# Altium PCB PCB_Left.PcbDoc (part 1 of 2) (continued)
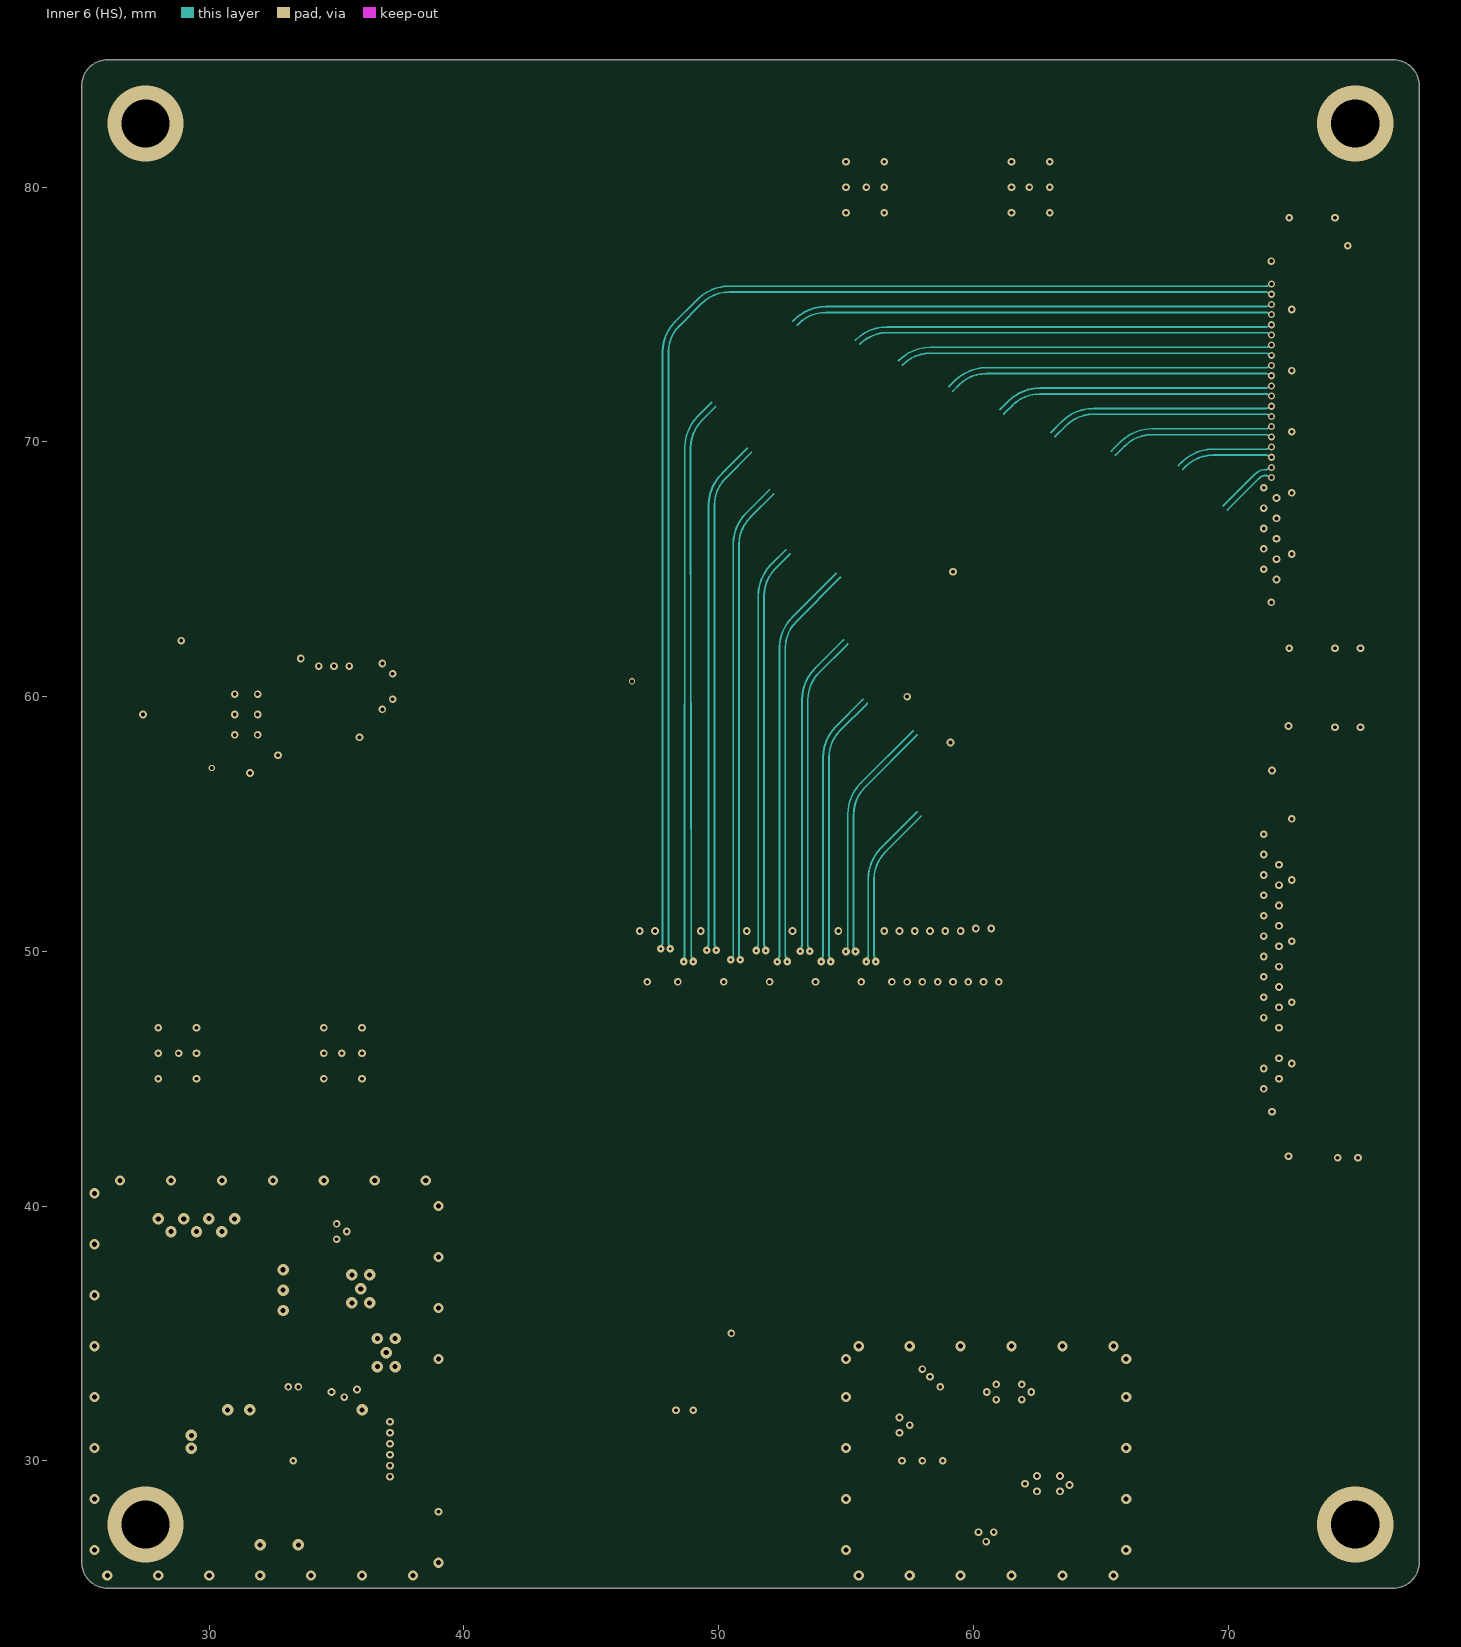
[diagram p7: Inner 6 (HS)]
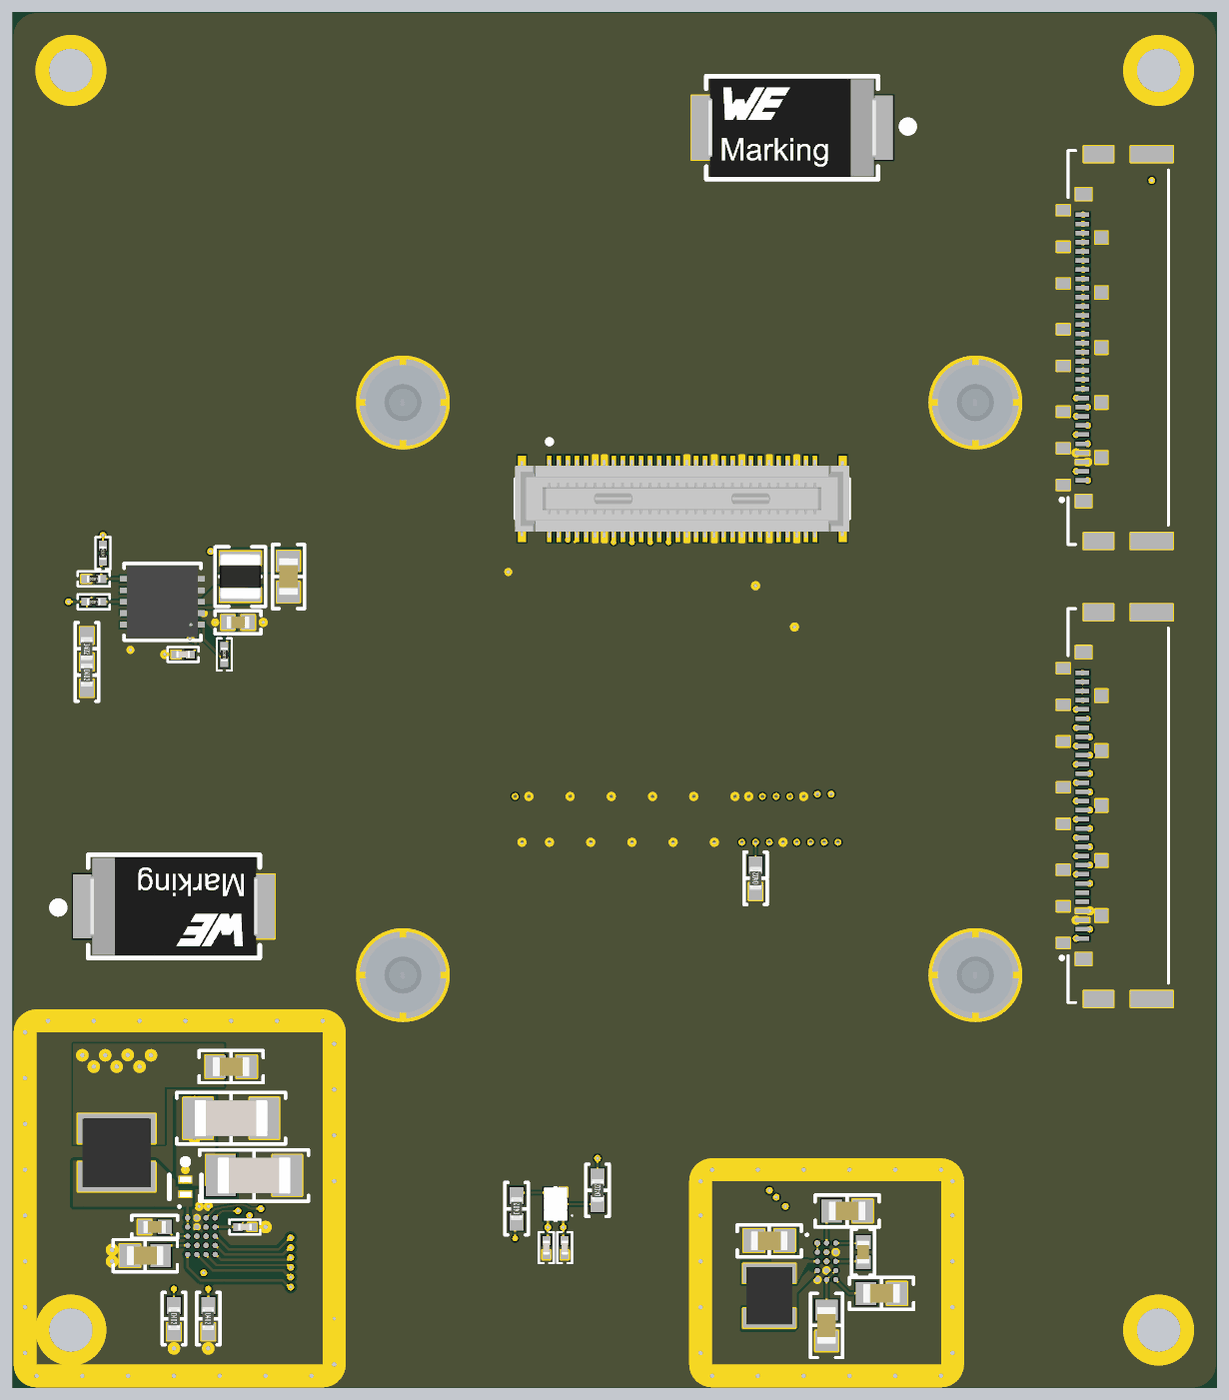
[diagram p9: 3D render of the assembled board from above, using the file's embedded part models]

## Layer stack, top to bottom
Top Solder: solder mask 0.015, WE-SM-0001, Dk 3.5
Top Side: signal copper 0.03
Dielectric 1: prepreg 0.086, PP-008, Dk 4.1
Inner 1 (HS): signal copper 0.018
Core 1: core 0.127, PP-016, Dk 4.2
Inner 2 (GND): plane copper 0.0175, net GND
Dielectric 2: prepreg 0.12, PP-016, Dk 4.6
Inner Layer 3: signal copper 0.0175
Core 2: core 0.08, PP-016, Dk 4.6
Inner Layer 4: signal copper 0.0175
Dielectric 3: prepreg 0.12, Core-015, Dk 4.6
Inner 5 (GND): plane copper 0.0175, net GND
Core 3: core 0.127, PP-016, Dk 4.2
Inner 6 (HS): signal copper 0.0175
Dielectric 4: prepreg 0.086, PP-008, Dk 4.1
Bottom Side: signal copper 0.03
Bottom Solder: solder mask 0.015, WE-SM-0001, Dk 3.5

## Board outline
25,26 25,84 cw(c26,84) 26,85 76.5,85 cw(c76.5,84) 77.5,84 77.5,26 cw(c76.5,26) 76.5,25 26,25 cw(c26,26)

## Design rules (kind name [scope] priority, off if disabled: settings)
Clearance Clearance_1 [InNetClass('HV')] p1: gap=0.13 ignorepadtopadclearanceinfootprint=FALSE
Clearance Clearance_3 [InNet('INCK')] p2: gap=0.075 ignorepadtopadclearanceinfootprint=FALSE except(0.3: Arc-Arc Arc-Track Track-Track)
Clearance Clearance_2 [InNetClass('MIPI')] p3: gap=0.075 ignorepadtopadclearanceinfootprint=FALSE except(0.3: Arc-Arc Arc-Track Track-Track)
Clearance [All] p4: gap=0.075 ignorepadtopadclearanceinfootprint=FALSE
DiffPairsRouting [All] p1: maxlimit=0.16 minlimit=0.16 mostfreqgap=0.16 toplayer_minwidth=0.111 toplayer_maxwidth=0.111 toplayer_prefwidth=0.111 midlayer2_minwidth=0.057 midlayer2_maxwidth=0.057 midlayer2_prefwidth=0.057 midlayer5_minwidth=0.057 midlayer5_maxwidth=0.057 midlayer5_prefwidth=0.057 midlayer6_minwidth=0.07 midlayer6_maxwidth=0.07 midlayer6_prefwidth=0.07 midlayer7_minwidth=0.069 midlayer7_maxwidth=0.069 midlayer7_prefwidth=0.069 bottomlayer_minwidth=0.111 bottomlayer_maxwidth=0.111 bottomlayer_prefwidth=0.111 impedanceprofiledriven=TRUE impedanceprofileid={1041645D-6CA2-4B96-BFB0-DD31A8001BDD} impedanceprofilevalue=100.000000 maxuncoupledlength=12.7
HoleToHoleClearance [All] p1: gap=0.2 allowstackedmicrovias=TRUE
MatchedLengths [InNetClass('MIPI')] p1: tolerance=25.4 checknetsindiffpair=FALSE checkdiffpairvsdiffpair=TRUE checkxsignals=TRUE checkothers=TRUE usedelayunits=TRUE delaytolerance=10.000000 targetsourcename="Not defined"
MatchedLengths MatchedLengths_1 [InxSignalClass('xSignals_J3_J2')] p2: tolerance=25 checknetsindiffpair=FALSE checkdiffpairvsdiffpair=TRUE checkxsignals=TRUE checkothers=TRUE usedelayunits=TRUE delaytolerance=10.000000 targetsourcename=D0_2_N_PP1
MatchedLengths MatchedLengths_2 [InxSignalClass('All xSignals')] p3: tolerance=25.4 checknetsindiffpair=TRUE checkdiffpairvsdiffpair=FALSE checkxsignals=FALSE checkothers=FALSE usedelayunits=TRUE delaytolerance=2.000000 targetsourcename="Not defined"
MinimumSolderMaskSliver [All] p1: minsoldermaskwidth=0.075
ParallelSegment [All] p1: limit=5 gap=0.2
PlaneClearance [All] p1: clearance=0.2
PlaneConnect [All] p1: planeconnectstyle=Direct reliefexpansion=0.508 reliefentries=4 reliefconductorwidth=0.254 reliefairgap=0.254
PolygonConnect [All] p1: connectstyle=Direct reliefconductorwidth=0.254 reliefentries=4 polygonreliefangle="90 Angle" airgapwidth=0.254
RoutingVias RoutingVias_1 [IsMicroVia] p1: holewidth=0.1 width=0.3 viastyle="Through Hole" minholewidth=0.1 minwidth=0.2 maxholewidth=0.1 maxwidth=0.35
RoutingVias [All] p2: holewidth=0.2 width=0.5 viastyle="Through Hole" minholewidth=0.1 minwidth=0.2 maxholewidth=5 maxwidth=6
SolderMaskExpansion [All] p1: expansion=0.05 istentingtop=FALSE
Width Width_1 [InNet('INCK')] p1: maxlimit=0.142 minlimit=0.065 preferedwidth=0.08 toplayer_minwidth=0.142 toplayer_prefwidth=0.142 midlayer2_maxwidth=0.065 midlayer2_prefwidth=0.065 midlayer5_maxwidth=0.065 midlayer5_prefwidth=0.065 midlayer6_minwidth=0.08 midlayer6_maxwidth=0.08 midlayer7_minwidth=0.079 midlayer7_maxwidth=0.079 midlayer7_prefwidth=0.079 bottomlayer_minwidth=0.142 bottomlayer_prefwidth=0.142 impedanceprofiledriven=TRUE impedanceprofileid={9CC3D39D-9BBF-42C0-AD05-CF1E9E2C0FA0} impedanceprofilevalue=50.000000 minimp=50.000000 maximp=50.000000 favimp=50.000000
Width [All] p2: maxlimit=1 minlimit=0.075 preferedwidth=0.1
25 further rules are at their usual default settings.

## Classes and differential pairs
component class CameraSupplies: C17 C18 C19 L3 R6 R7 R8 R9 R10 R11 U3
differential pair class SLVS-EC: CAM_D0 CAM_D1
net class SLVS-EC: CAM_D0_N CAM_D0_P CAM_D1_N CAM_D1_P
net class 50OHM: INCK
net class HV: LED1 LED2 LED3 LED4 LED5 LED6 LED+ NetD1_2
differential pair class MIPI: D0_0 D0_1 D0_2 D0_3 D0_C D1_0 D1_1 D1_2 D1_3 D1_C
net class MIPI: D0_0_N D0_0_P D0_1_N D0_1_P D0_2_N D0_2_P D0_3_N D0_3_P D0_C_N D0_C_P D1_0_N D1_0_P D1_1_N D1_1_P D1_2_N D1_2_P D1_3_N D1_3_P D1_C_N D1_C_P
component class MainboardConn: C12 C13 J3 J4
component class DisplaySupplies: C2 C3 C4 C5 C6 C7 C8 C9 C10 C11 C14 C15 C16 D1 IC1 L1 L2 R2 R3 R4 R5 U1 U2
component class DisplayConn: C1 J2 R1
component class CameraConn: J1 MP1 MP2 MP3 MP4
differential pair CAM_D1: +CAM_D1_P -CAM_D1_N
differential pair CAM_D0: +CAM_D0_P -CAM_D0_N
differential pair D1_C: +D1_C_P -D1_C_N
differential pair D1_3: +D1_3_P -D1_3_N
differential pair D1_2: +D1_2_P -D1_2_N
differential pair D1_1: +D1_1_P -D1_1_N
differential pair D1_0: +D1_0_P -D1_0_N
differential pair D0_C: +D0_C_P -D0_C_N
differential pair D0_3: +D0_3_P -D0_3_N
differential pair D0_2: +D0_2_P -D0_2_N
differential pair D0_1: +D0_1_P -D0_1_N
differential pair D0_0: +D0_0_P -D0_0_N

## Components (designator, comment, footprint, x,y, rotation, side; value= is the part's Value field where it differs from the comment)
C1 "10 µF" "CAP 0603_1608" 59.5,53.5 r0 bottom
C2 "10 µF" "CAP 0603_1608" 58,31.4 r0 top
C3 "0.1 µF" "CAP 0201_0603" 35.1,32 r180 top
C4 "10 µF" "CAP 0603_1608" 62.9,29.1 r180 top
C5 "10 µF" "CAP 0603_1608" 60.5,27.7 r90 top
C6 "2.2 µF" "CAP 0402_1005" 62.1,30.9 r270 top
C7 "10 µF" "CAP 0603_1608" 61.4,32.7 r180 top
C8 "10 µF" "CAP 0603_1608" 34.5,39 r180 top
C9 "4.7 µF" "CAP 1206_3216 - 0.8MM" 34.5,36.75 r180 top
C10 "4.7 µF" "CAP 1206_3216 - 0.8MM" 35.5,34.25 r180 top
C11 "10 µF" "CAP 0603_1608" 30.75,30.75 r0 top
C12 "220uF" WCAP-PHGP_L7.3W4.3H1.9 59,80 r0 top
C13 "220uF" WCAP-PHGP_L7.3W4.3H1.9 32,46 r180 top
C14 "1 µF" "CAP 0402_1005" 31.16,32 r0 top
C15 "0.1 µF" "CAP 0201_0603" 48.263,31.1 r90 top
C16 "0.1 µF" "CAP 0201_0603" 49.063,31.1 r90 top
C17 "0.1 µF" "CAP 0201_0603" 32.4,57 r0 top
C18 "2.2 µF" "CAP 0402_1005" 34.8,58.4 r180 top
C19 "47 µF" "CAP 0603_1608" 37,60.4 r90 top
D1 "PMEG6010AESBYL" FP-SOD993-MFG 32.5,33.75 r270 top
IC1 "74AXP1T34GMH" PESD3V3L5UF115 48.663,33 r90 top
J1 "DF40B-60DS-0.4V(51)" HRS_DF40B-60DS-0.4V(51) 54.2,63.8 r180 top
J2 "504754-6120" 5047546120 52,50 r180 bottom
J3 "20682-030E-02" IPEX_20682-030E-02 71.675,70.4 r90 top
J4 "20682-030E-02" IPEX_20682-030E-02 71.675,50.4 r90 top
L1 "4.7uH, 0.94A" WE-MAPI_2510 58,29 r270 top
L2 "6.8uH, 1.1A" WE-MAPI_3015 29.5,35.25 r270 top
L3 "2.2 µH" "IND 0806_2016" 34.9,60.4 r270 top
MP1 "M1.6x2.5mm" 97730256330 67,68 r0 top
MP2 "M1.6x2.5mm" 97730256330 42,68 r0 top
MP3 "M1.6x2.5mm" 97730256330 67,43 r0 top
MP4 "M1.6x2.5mm" 97730256330 42,43 r0 top
R1 "2.7k" "RES 0402_1005" 57.4,47.225 r90 top
R2 "0 Ohms" "RES 0402_1005" 33.5,28 r270 top
R3 "24.3 kOhms" "RES 0402_1005" 32,28 r270 top
R4 "0 Ohms" "RES 0402_1005" 46.963,32.8 r90 top
R5 "0 Ohms" "RES 0402_1005" 50.5,33.6 r90 top
R6 "10 kOhms" "RES 0201_0603" 28.5,59.3 r0 top
R7 "10 Ohms" "RES 0201_0603" 34.2,57 r270 top
R8 "16.5 kOhms" "RES 0201_0603" 28.5,60.3 r0 top
R9 "13.7 kOhms" "RES 0201_0603" 28.9,61.425 r270 top
R10 "DNI" "RES 0402_1005" 28.2,57.25 r270 top
R11 "0 Ohms" "RES 0402_1005" 28.2,56.1 r270 top
U1 "TPS65132AYFFR" BGA15C40P3X5_151X211X62 60.5,30.5 r0 top
U2 "LP8556TME-E09/NOPB" BGA20C40P4X5_171X237X68 33.2,31.6 r0 top
U3 "ADP2120ACPZ-R7" CP_10_9_ADI 31.5,59.3 r180 top

## Footprints (in the part's own frame and the unit in brackets; to place one, negate y for a bottom-side part, rotate by r counter-clockwise, add the part's x,y. Pads: shape width x height; smd on the part's side, far side on the other; paste and mask are expansions set on the pad)
5047546120 [mm]
  rect 0.22x0.54 smd: 1(-9,-1.48) 3(-8.4,-1.48) 5(-7.8,-1.48) 7(-7.2,-1.48) 9(-6.6,-1.48) 11(-6,-1.48) 13(-5.4,-1.48) 15(-4.8,-1.48) 17(-4.2,-1.48) 19(-3.6,-1.48) 21(-3,-1.48) 23(-2.4,-1.48) 25(-1.8,-1.48) 27(-1.2,-1.48) 29(-0.6,-1.48) 31(0,-1.48) 33(0.6,-1.48) 35(1.2,-1.48) 37(1.8,-1.48) 39(2.4,-1.48) 41(3,-1.48) 43(3.6,-1.48) 45(4.2,-1.48) 47(4.8,-1.48) 49(5.4,-1.48) 51(6,-1.48) 53(6.6,-1.48) 55(7.2,-1.48) 57(7.8,-1.48) 59(8.4,-1.48) 61(9,-1.48)
  rect 0.22x0.53 smd: 2(-8.7,1.135) 4(-8.1,1.135) 6(-7.5,1.135) 8(-6.9,1.135) 10(-6.3,1.135) 12(-5.7,1.135) 14(-5.1,1.135) 16(-4.5,1.135) 18(-3.9,1.135) 20(-3.3,1.135) 22(-2.7,1.135) 24(-2.1,1.135) 26(-1.5,1.135) 28(-0.9,1.135) 30(-0.3,1.135) 32(0.3,1.135) 34(0.9,1.135) 36(1.5,1.135) 38(2.1,1.135) 40(2.7,1.135) 42(3.3,1.135) 44(3.9,1.135) 46(4.5,1.135) 48(5.1,1.135) 50(5.7,1.135) 52(6.3,1.135) 54(6.9,1.135) 56(7.5,1.135) 58(8.1,1.135) 60(8.7,1.135)
  silkscreen extent -9.9,-2.3 9.9,1.65, body extent -9.9,-1.73 9.9,1.65, height 1.77
97730256330 [mm] "SMT Steel Spacer with internal Thread M1.6 Bottom closed, height 2.5mm"
  round 4 smd paste-2539.97: 1(0,0)
  body extent -1.65,-1.65 1.65,1.65, height 2.5
BGA15C40P3X5_151X211X62 [mm] "BGA, 15-Leads, Body 1.51x2.11mmx0.63mm, Pitch 0.40mm"
  round 0.23 smd mask+0.05: A1(-0.4,0.8) A2(0,0.8) A3(0.4,0.8) B1(-0.4,0.4) B2(0,0.4) B3(0.4,0.4) C1(-0.4,0) C2(0,0) C3(0.4,0) D1(-0.4,-0.4) D2(0,-0.4) D3(0.4,-0.4) E1(-0.4,-0.8) E2(0,-0.8) E3(0.4,-0.8)
  silkscreen extent -0.91,1.11 -0.81,1.21, body extent -0.75,-1.05 0.75,1.06, height 0.63
BGA20C40P4X5_171X237X68 [mm] "BGA, 20-Leads, Body 1.71x2.37mmx0.68mm, Pitch 0.40mm"
  round 0.23 smd mask+0.05: A1(-0.6,0.8) A2(-0.2,0.8) A3(0.2,0.8) A4(0.6,0.8) B1(-0.6,0.4) B2(-0.2,0.4) B3(0.2,0.4) B4(0.6,0.4) C1(-0.6,0) C2(-0.2,0) C3(0.2,0) C4(0.6,0) D1(-0.6,-0.4) D2(-0.2,-0.4) D3(0.2,-0.4) D4(0.6,-0.4) E1(-0.6,-0.8) E2(-0.2,-0.8) E3(0.2,-0.8) E4(0.6,-0.8)
  silkscreen extent -1.01,1.24 -0.91,1.34, body extent -0.85,-1.18 0.85,1.19, height 0.68
"CAP 0201_0603" [mm] "Chip Capacitor, 2-Leads, Body 0.60x0.30mm, IPC Medium Density"
  rect 0.4x0.35 smd: 1(-0.31,0) 2(0.31,0)
  silkscreen extent -0.67,-0.33 0.67,0.33, body extent -0.3,-0.15 0.3,0.15, height 0.3
"CAP 0402_1005" [mm] "Chip Capacitor, 2-Leads, Body 1.02x0.51mm, IPC Medium Density"
  rect 0.6x0.64 smd: 1(-0.44,0) 2(0.44,0)
  silkscreen extent -1,-0.5 1,0.5, body extent -0.5,-0.26 0.5,0.26, height 0.52
"CAP 0603_1608" [mm] "Chip Capacitor, 2-Leads, Body 1.60x0.80mm, IPC Medium Density"
  rect 0.9x1 smd: 1(-0.675,0) 2(0.675,0)
  silkscreen extent -1.4,-0.7 1.4,0.7, body extent -0.8,-0.41 0.8,0.41, height 0.82
"CAP 1206_3216 - 0.8MM" [mm] "Chip Capacitor, 2-Leads, Body 3.25x1.60mm, IPC Medium Density"
  rect 1.3x1.8 smd: 1(-1.45,0) 2(1.45,0)
  silkscreen extent -2.37,-1.12 2.37,1.12, body extent -1.6,-0.8 1.6,0.8, height 0.8
CP_10_9_ADI [mm]
  rect 0.808x0.255 smd paste+0 mask+0: 1(-1.445,1) 2(-1.445,0.5) 3(-1.445,0) 4(-1.445,-0.5) 5(-1.445,-1) 6(1.445,-1) 7(1.445,-0.5) 8(1.445,0) 9(1.445,0.5) 10(1.445,1)
  rect 1.753x2.489 smd paste+0 mask+0: 11(0,0)
  silkscreen extent -1.68,-1.68 1.68,1.68, body extent -1.55,-1.55 1.55,1.55, height 0.79
FP-SOD993-MFG [mm]
  rect 0.35x0.6 smd paste-1000 mask+0: 1(-0.325,0) 2(0.325,0)
  silkscreen extent -1.22,-0.7 0.53,0.7, body extent -0.63,-0.43 0.63,0.43, height 0.25
HRS_DF40B-60DS-0.4V(51) [mm]
  rect 0.2x0.7 smd paste-1 mask+0.05: 1(5.8,-1.54) 2(5.8,1.54) 3(5.4,-1.54) 4(5.4,1.54) 5(5,-1.54) 6(5,1.54) 7(4.6,-1.54) 8(4.6,1.54) 9(4.2,-1.54) 10(4.2,1.54) 11(3.8,-1.54) 12(3.8,1.54) 13(3.4,-1.54) 14(3.4,1.54) 15(3,-1.54) 16(3,1.54) 17(2.6,-1.54) 18(2.6,1.54) 19(2.2,-1.54) 20(2.2,1.54) 21(1.8,-1.54) 22(1.8,1.54) 23(1.4,-1.54) 24(1.4,1.54) 25(1,-1.54) 26(1,1.54) 27(0.6,-1.54) 28(0.6,1.54) 29(0.2,-1.54) 30(0.2,1.54) 31(-0.2,-1.54) 32(-0.2,1.54) 33(-0.6,-1.54) 34(-0.6,1.54) 35(-1,-1.54) 36(-1,1.54) 37(-1.4,-1.54) 38(-1.4,1.54) 39(-1.8,-1.54) 40(-1.8,1.54) 41(-2.2,-1.54) 42(-2.2,1.54) 43(-2.6,-1.54) 44(-2.6,1.54) 45(-3,-1.54) 46(-3,1.54) 47(-3.4,-1.54) 48(-3.4,1.54) 49(-3.8,-1.54) 50(-3.8,1.54) 51(-4.2,-1.54) 52(-4.2,1.54) 53(-4.6,-1.54) 54(-4.6,1.54) 55(-5,-1.54) 56(-5,1.54) 57(-5.4,-1.54) 58(-5.4,1.54) 59(-5.8,-1.54) 60(-5.8,1.54)
  rect 0.35x0.7 smd paste-1: S1(7,-1.54) S2(7,1.54) S3(-7,-1.54) S4(-7,1.54)
  silkscreen extent -7.3,-2.59 7.3,0.87, body extent -7.29,-1.69 7.31,1.69, height 1.4
"IND 0806_2016" [mm] "Chip Capacitor, 2-Leads, Body 2.00x1.20mm, IPC Medium Density"
  rect 0.6x1.8 smd: 1(-0.8,0) 2(0.8,0)
  silkscreen extent -1.3,-1.1 1.3,1.1, body extent -1.01,-0.91 1.01,0.91, height 1.81
IPEX_20682-030E-02 [mm]
  rect 0.2x0.6 smd: 1(-5.8,0) 2(-5.4,0) 3(-5,0) 4(-4.6,0) 5(-4.2,0) 6(-3.8,0) 7(-3.4,0) 8(-3,0) 9(-2.6,0) 10(-2.2,0) 11(-1.8,0) 12(-1.4,0) 13(-1,0) 14(-0.6,0) 15(-0.2,0) 16(0.2,0) 17(0.6,0) 18(1,0) 19(1.4,0) 20(1.8,0) 21(2.2,0) 22(2.6,0) 23(3,0) 24(3.4,0) 25(3.8,0) 26(4.2,0) 27(4.6,0) 28(5,0) 29(5.4,0) 30(5.8,0)
  rect 0.71x1.3 smd: S1(-8.445,-0.7) S2(8.445,-0.7)
  rect 0.71x1.85 smd: S3(-8.445,-3.025) S4(8.445,-3.025)
  rect 0.55x0.55 smd: S5(-4.8,-0.825) S6(-2.4,-0.825) S7(0,-0.825) S14(2.4,-0.825) S15(4.8,-0.825)
  rect 0.45x0.58 smd: S8(-6,0.84) S9(-4.4,0.84) S10(-2.8,0.84) S11(-0.8,0.84) S16(0.8,0.84) S17(2.8,0.84) S18(6,0.84) S19(4.4,0.84)
  rect 0.55x0.7 smd: S12(-6.7,-0.05) S13(6.7,-0.05)
  silkscreen extent -8.6,-3.75 8.6,0.97
PESD3V3L5UF115 [mm]
  rect 0.425x0.37 smd: 1(-0.5,-0.337) 2(0,-0.337) 3(0.5,-0.337) 4(0.5,0.337) 5(0,0.337) 6(-0.5,0.337)
  silkscreen extent -0.72,-0.75 0.72,0.05, body extent -0.72,-0.5 0.73,0.5, height 0.47
"RES 0201_0603" [mm] "Chip Resistor, 2-Leads, Body 0.60x0.30mm, IPC Medium Density"
  rect 0.44x0.35 smd: 1(-0.325,0) 2(0.325,0)
  silkscreen extent -0.7,-0.33 0.7,0.33, body extent -0.3,-0.15 0.3,0.15, height 0.21
"RES 0402_1005" [mm] "Chip Resistor, 2-Leads, Body 1.0x0.5mm, IPC Medium Density"
  rect 0.75x0.6 smd: 1(-0.575,0) 2(0.575,0)
  silkscreen extent -1.14,-0.51 1.14,0.51, body extent -0.5,-0.25 0.5,0.25, height 0.35
WCAP-PHGP_L7.3W4.3H1.9 [mm] "Aluminum Polymer Capacitors, body 7.3x4.3mm"
  rect 2.4x2.8 smd: 1(3.2,0) 2(-3.2,0)
  silkscreen extent -3.75,-2.25 5.25,2.25, body extent -3.65,-2.15 3.65,2.15, height 1.9
WE-MAPI_2510 [mm] "SMT Shielded Power Inductor, body 2..5x2mm"
  rect 0.85x2.3 smd: 1(-0.975,0) 2(0.975,0)
  body extent -1.25,-1 1.25,1, height 1
WE-MAPI_3015 [mm] "SMT Shielded Power Inductor, body 3x3mm"
  rect 1.3x3.4 smd: 1(-1.05,0) 2(1.05,0)
  body extent -1.5,-1.5 1.5,1.5, height 1.5

## Part data
C1 C2 C4 C5 C7 C8 C11: library part GRM188R61C106MA73D, "CAP CER 10UF 16V X5R 0603", Device Package="0603 (1608 Metric)", Manufacturer="Murata Electronics", Operating Temperature="-55°C ~ 85°C", Supplier Part Number 1=490-7201-1-ND, Temperature Coefficient=X5R, Tolerance=±20%, Voltage - Rated=16V, Applications="General Purpose", Capacitance="10 µF", ComponentLink1Description=Datasheet, ComponentLink1URL=https://www.murata.com/~/media/webrenewal/support/library/catalog/products/capacitor/mlcc/c02e.ashx?la=en-us, ComponentLink2Description="DigiKey Link", ComponentLink2URL=https://www.digikey.com/en/products/detail/murata-electronics/GRM188R61C106MA73D/3900480, LastUpdated="2022-04-02 05:55:00", Lifecycle Status=Active, Minimum Order=1, Mounting Type="Surface Mount, MLCC", Package / Case="0603 (1608 Metric)", Packaging=TapeAndReel, Part Number=GRM188R61C106MA73D, Part Status=Active, PartId=15141, Price=0.04, Series=GRM, Size / Dimension="0.063\" L x 0.031\" W (1.60mm x 0.80mm)", Supplier 1=DigiKey, Thickness (Max)="0.039\" (1.00mm)"
C3 C15 C16 C17: library part GRM033R61A104KE15D, "CAP CER 0.1UF 10V X5R 0201", Device Package="0201 (0603 Metric)", Manufacturer="Murata Electronics", Operating Temperature="-55°C ~ 85°C", Supplier Part Number 1=490-5881-1-ND, Temperature Coefficient=X5R, Tolerance=±10%, Voltage - Rated=10V, Applications="General Purpose", Capacitance="0.1 µF", ComponentLink1Description=Datasheet, ComponentLink1URL=https://www.murata.com/~/media/webrenewal/support/library/catalog/products/capacitor/mlcc/c02e.ashx?la=en-us, ComponentLink2Description="DigiKey Link", ComponentLink2URL=https://www.digikey.com/en/products/detail/murata-electronics/GRM033R61A104KE15D/2269163, LastUpdated="2022-04-12 22:01:55", Lifecycle Status=Active, Minimum Order=1, Mounting Type="Surface Mount, MLCC", Package / Case="0201 (0603 Metric)", Packaging=CutTape, Part Number=GRM033R61A104KE15D, Part Status=Active, PartId=1641, Price=0.01, Series=GRM, Size / Dimension="0.024\" L x 0.012\" W (0.60mm x 0.30mm)", Supplier 1=DigiKey, Thickness (Max)="0.013\" (0.33mm)"
C6 C18: library part GRM155R61C225ME44D, "CAP CER 2.2UF 16V X5R 0402", Device Package="0402 (1005 Metric)", Manufacturer="Murata Electronics", Operating Temperature="-55°C ~ 85°C", Supplier Part Number 1=490-10456-1-ND, Temperature Coefficient=X5R, Tolerance=±20%, Voltage - Rated=16V, Applications="General Purpose", Capacitance="2.2 µF", ComponentLink1Description=Datasheet, ComponentLink1URL=https://search.murata.co.jp/Ceramy/image/img/A01X/G101/ENG/GRM155R61C225ME44-01.pdf, ComponentLink2Description="DigiKey Link", ComponentLink2URL=https://www.digikey.com/en/products/detail/murata-electronics/GRM155R61C225ME44D/5027541, LastUpdated="2022-04-02 05:51:52", Lifecycle Status=Active, Minimum Order=1, Mounting Type="Surface Mount, MLCC", Package / Case="0402 (1005 Metric)", Packaging=TapeAndReel, Part Number=GRM155R61C225ME44D, Part Status=Active, PartId=4092, Price=0.03, Series=GRM, Size / Dimension="0.039\" L x 0.020\" W (1.00mm x 0.50mm)", Supplier 1=DigiKey, Thickness (Max)="0.024\" (0.60mm)"
C9 C10: library part GRM31CR71H475KA12L, "CAP CER 4.7UF 50V X7R 1206", Device Package="1206 (3216 Metric)", Manufacturer="Murata Electronics", Operating Temperature="-55°C ~ 125°C", Supplier Part Number 1=490-6521-1-ND, Temperature Coefficient=X7R, Tolerance=±10%, Voltage - Rated=50V, Applications="General Purpose", Capacitance="4.7 µF", ComponentLink1Description=Datasheet, ComponentLink1URL=https://www.murata.com/~/media/webrenewal/support/library/catalog/products/capacitor/mlcc/c02e.ashx?la=en-us, ComponentLink2Description="DigiKey Link", ComponentLink2URL=https://www.digikey.com/en/products/detail/murata-electronics/GRM31CR71H475KA12L/2548209, LastUpdated="2022-04-02 06:00:47", Lifecycle Status=Active, Minimum Order=1, Mounting Type="Surface Mount, MLCC", Package / Case="1206 (3216 Metric)", Packaging=TapeAndReel, Part Number=GRM31CR71H475KA12L, Part Status=Active, PartId=20010, Price=0.08, Series=GRM, Size / Dimension="0.126\" L x 0.063\" W (3.20mm x 1.60mm)", Supplier 1=DigiKey, Thickness (Max)="0.071\" (1.80mm)"
C12 C13: library part 875015119006, "WCAP-PHGP Aluminum Polymer Capacitor, H-Chip SMT, L7.3W4.3H1.9mm, 220uF, 6.3V", Capacitance Tolerance=+/-20%, Leakage Current=138.6uA, Manufacturer="Wurth Elektronik", Operating Temperature Max=105°C, Operating Temperature Min=-55°C, Rated Voltage (DC)=6.3V, Ripple Current=5100mA, Capacitance=220uF, Category="Aluminum Polymer Capacitors", ComponentLink1Description="Manufacturer Link", ComponentLink1URL=https://www.we-online.com/redexpert/article/875015119006?ad, ComponentLink2Description=Datasheet, ComponentLink2URL=https://www.we-online.com/redexpert/spec/875015119006?ad, Dissipation Factor=6%, Endurance=2000h, ESR=15mOhm, Height=1.9mm, Length=7.3mm, Manufacturer Part Number=875015119006, Match Code=WCAP-PHGP, Mount="Surface Mount", Packaging="Tape and Reel", Technical Reference=PSE2917221M6R3DHCT2HT19, Width=4.3mm
C14: library part GRM155R61C105MA12D, "CAP CER 1UF 16V X5R 0402", Device Package="0402 (1005 Metric)", Manufacturer="Murata Electronics", Operating Temperature="-55°C ~ 85°C", Supplier Part Number 1=490-14599-1-ND, Temperature Coefficient=X5R, Tolerance=±20%, Voltage - Rated=16V, Applications="General Purpose", Capacitance="1 µF", ComponentLink1Description=Datasheet, ComponentLink1URL=https://search.murata.co.jp/Ceramy/image/img/A01X/G101/ENG/GRM155R61C105MA12-01.pdf, ComponentLink2Description="DigiKey Link", ComponentLink2URL=https://www.digikey.com/en/products/detail/murata-electronics/GRM155R61C105MA12D/4905131, LastUpdated="2022-04-02 05:51:33", Lifecycle Status=Active, Minimum Order=1, Mounting Type="Surface Mount, MLCC", Package / Case="0402 (1005 Metric)", Packaging=TapeAndReel, Part Number=GRM155R61C105MA12D, Part Status=Active, PartId=10295, Price=0.01, Series=GRM, Size / Dimension="0.039\" L x 0.020\" W (1.00mm x 0.50mm)", Supplier 1=DigiKey, Thickness (Max)="0.022\" (0.55mm)"
C19: library part GRM188R60J476ME01D, "CAP CER 47UF 6.3V X5R 0603", Device Package="0603 (1608 Metric)", Manufacturer="Murata Electronics", Operating Temperature="-55°C ~ 85°C", Supplier Part Number 1=490-GRM188R60J476ME01DCT-ND, Temperature Coefficient=X5R, Tolerance=±20%, Voltage - Rated=6.3V, Applications="General Purpose", Capacitance="47 µF", ComponentLink2Description="DigiKey Link", ComponentLink2URL=https://www.digikey.com/en/products/detail/murata-electronics/GRM188R60J476ME01D/13996874, LastUpdated="5/20/2022 2:38:45 PM", Lifecycle Status=Active, Minimum Order=1, Mounting Type="Surface Mount, MLCC", Package / Case="0603 (1608 Metric)", Packaging=TapeAndReel, Part Number=GRM188R60J476ME01D, Part Status=Active, PartId=44498, Price=0.10, Series=GRM, Size / Dimension="0.063\" L x 0.031\" W (1.60mm x 0.80mm)", Supplier 1=DigiKey, Thickness (Max)="0.039\" (1.00mm)"
D1: library part CMP-14398-000012-1, "DIODE SCHOTTKY 60V 1A DSN1006-2"
IC1: "Integrated Circuit", Manufacturer_Name=Nexperia, Mouser Part Number=771-74AXP1T34GMH, Arrow Part Number=74AXP1T34GMH, Arrow Price/Stock=https://www.arrow.com/en/products/74axp1t34gmh/nexperia, Datasheet Link=https://assets.nexperia.com/documents/data-sheet/74AXP1T34.pdf, Height=0.5mm, Manufacturer_Part_Number=74AXP1T34GMH, Mouser Price/Stock=https://www.mouser.co.uk/ProductDetail/Nexperia/74AXP1T34GMH?qs=64Y9EYqwa9hz4MxtKQGkpQ%3D%3D
J1: library part CMP-013-000000-1, Package=None, Availability=Unavailable, Design Item ID=DF40B-60DS-0.4V(51), MF="{'manufacturer': u'Hirose Electric Co Ltd'}", MP=DF40B-60DS-0.4V(51), Price=None, Source=DF40B-60DS-0.4V(51).SchLib
J2: "Connector", Manufacturer_Name=Molex, Mouser Part Number=538-504754-6120, Datasheet Link=https://componentsearchengine.com/Datasheets/1/504754-6120.pdf, Height=1.67mm, Manufacturer_Part_Number=504754-6120, Mouser Price/Stock=https://www.mouser.com/Search/Refine.aspx?Keyword=538-504754-6120
J3: "Cabline-CAII Rece. Ass'y", Package=None, Availability=Unavailable, MF="{'manufacturer': u'I-PEX'}", MP=20682-030E-02, Price=None
J4: library part CMP-004-000000-1, "Cabline-CAII Rece. Ass'y", Package=None, Availability=Unavailable, Design Item ID=20682-030E-02, MF="{'manufacturer': u'I-PEX'}", MP=20682-030E-02, Price=None, Source=20682-030E-02.SchLib
L1: library part 74438323047, "WE-MAPI SMT Power Inductor, size 2510, 4.7uH, 0.94A", DC Resistance max.=388mOhm, DC Resistance typ.=338mOhm, Inductance=4.7uH, Manufacturer="Wurth Elektronik", Operating Temperature="-40 to +125degC", Rated Current=0.94A, Saturation Current=1.75A, Self Resonant Frequency=35MHz, ComponentLink1Description=Manufacturer, ComponentLink1URL=http://www.we-online.de, ComponentLink2Description=Datasheet, ComponentLink2URL=https://www.we-online.com/catalog/datasheet/74438323047.pdf, Height=1mm, Length=2.5mm, Manufacturer Part Number=74438323047, Mounting Technology=SMT, Packaging="Tape and Reel", Size=2510, Width=2mm
L2: library part 74438335068, "WE-MAPI SMT Power Inductor, size 3015, 6.8uH, 1.1A", DC Resistance max.=287mOhm, DC Resistance typ.=250mOhm, Inductance=6.8uH, Manufacturer="Wurth Elektronik", Operating Temperature="-40 to +125degC", Rated Current=1.1A, Saturation Current=2.4A, Self Resonant Frequency=25MHz, ComponentLink1Description=Manufacturer, ComponentLink1URL=http://www.we-online.de, ComponentLink2Description=Datasheet, ComponentLink2URL=https://www.we-online.com/catalog/datasheet/74438335068.pdf, Height=1.5mm, Length=3mm, Manufacturer Part Number=74438335068, Mounting Technology=SMT, Packaging="Tape and Reel", Size=3015, Width=3mm
L3: library part 74479276222C, "FIXED IND 2.2UH 1.6A 135MOHM SMD", Current - Saturation=2.5A, Current Rating (Amps)="1.6 A", DC Resistance (DCR)="135mOhm Max", Device Package="0806 (2016 Metric)", Frequency - Self Resonant=40MHz, Inductance Frequency - Test="1 MHz", Manufacturer="Würth Elektronik", Operating Temperature="-40°C ~ 125°C", Supplier Part Number 1=732-9716-1-ND, Tolerance=±20%, ComponentLink1Description=Datasheet, ComponentLink1URL=https://katalog.we-online.de/pbs/datasheet/74479276222C.pdf, ComponentLink2Description="DigiKey Link", ComponentLink2URL=https://www.digikey.com/en/products/detail/würth-elektronik/74479276222C/5870522, Height - Seated (Max)="0.039\" (1.00mm)", Inductance="2.2 µH", LastUpdated="5/23/2022 1:46:32 PM", Lifecycle Status=Active, Material - Core="0806 (2016 Metric)", Minimum Order=1, Mounting Type="Surface Mount", Package / Case="0806 (2016 Metric)", Packaging=TapeAndReel, Part Number=74479276222C, Part Status=Active, PartId=2839, Price=0.51, Series=WE-PMCI, Shielding=Shielded, Size / Dimension="0.079\" L x 0.063\" W (2.00mm x 1.60mm)", Supplier 1=DigiKey, Type=Molded
MP1 MP2 MP3 MP4: library part 97730256330, "WA-SMSI SMT Steel Spacer, internal Thread Bottom closed, OD 3.3mm, M1.6x2.5mm", Manufacturer="Wurth Elektronik", Operating Temperature="-55 to +150degC", ComponentLink1Description=Manufacturer, ComponentLink1URL=http://www.we-online.de, ComponentLink2Description=Datasheet, ComponentLink2URL=https://www.we-online.com/catalog/datasheet/97730256330.pdf, Inner Diameter=-, Inner Thread Length=1.5mm, Length=2.5mm, Manufacturer Part Number=97730256330, Material=Steel, Mounting Technology=SMT, Outer Diameter=3.3mm, Packaging=Bulk, Published Date="April 2020", Surface=Tin, Thread=M1.6
R1: library part RC0402FR-072K7L, "RES 2.7K OHM 1% 1/16W 0402", Device Package="0402 (1005 Metric)", Manufacturer=Yageo, Operating Temperature="-55°C ~ 155°C", Power (Watts)="0.063W, 1/16W", Resistance="2.7 kOhms", Supplier Device Package=0402, Supplier Part Number 1=311-2.70KLRCT-ND, Temperature Coefficient=±100ppm/°C, Tolerance=±1%, ComponentLink1Description=Datasheet, ComponentLink1URL=https://www.yageo.com/upload/media/product/productsearch/datasheet/rchip/PYu-RC_Group_51_RoHS_L_10.pdf, ComponentLink2Description="DigiKey Link", ComponentLink2URL=https://www.digikey.com/en/products/detail/yageo/RC0402FR-072K7L/726556, Composition="Thick Film", Features="Moisture Resistant", Height - Seated (Max)="0.016\" (0.40mm)", LastUpdated="2022-04-02 06:08:11", Lifecycle Status=Active, Minimum Order=1, Number of Terminations=2, Package / Case="0402 (1005 Metric)", Packaging=CutTape, Part Number=RC0402FR-072K7L, Part Status=Active, PartId=2550, Price=0.01, Series=RC_L, Size / Dimension="0.039\" L x 0.020\" W (1.00mm x 0.50mm)", Supplier 1=DigiKey
R2 R4 R5 R11: library part CRCW04020000Z0EDHP, "RES SMD 0 OHM JUMPER 1/5W 0402", Device Package="0402 (1005 Metric)", Manufacturer="Vishay Dale", Operating Temperature="-55°C ~ 155°C", Power (Watts)="0.2W, 1/5W", Ratings=AEC-Q200, Supplier Device Package=0402, Supplier Part Number 1=541-0.0YBCT-ND, Tolerance=Jumper, ComponentLink1Description=Datasheet, ComponentLink1URL=http://www.vishay.com/docs/20043/crcwhpe3.pdf, ComponentLink2Description="DigiKey Link", ComponentLink2URL=http://digikey.com/product-detail/en/vishay-dale/CRCW04020000Z0EDHP/541-0.0YBCT-ND/2223008, Composition="Thick Film", Features="Automotive AEC-Q200, Pulse Withstanding", Height - Seated (Max)="0.016\" (0.40mm)", LastUpdated="2022-04-02 06:08:09", Lifecycle Status=Active, Minimum Order=1, Number of Terminations=2, Package / Case="0402 (1005 Metric)", Packaging=TapeAndReel, Part Number=CRCW04020000Z0EDHP, Part Status=Active, PartId=3131, Price=0.01, Resistance="0 Ohms", Series=CRCW-HP, Size / Dimension="0.039\" L x 0.020\" W (1.00mm x 0.50mm)", Supplier 1=DigiKey
R3: library part RC0402FR-0724K3L, "RES 24.3K OHM 1% 1/16W 0402", Device Package="0402 (1005 Metric)", Manufacturer=Yageo, Operating Temperature="-55°C ~ 155°C", Power (Watts)="0.063W, 1/16W", Supplier Device Package=0402, Supplier Part Number 1=YAG3071CT-ND, Temperature Coefficient=±100ppm/°C, Tolerance=±1%, ComponentLink1Description=Datasheet, ComponentLink1URL=https://www.yageo.com/upload/media/product/productsearch/datasheet/rchip/PYu-RC_Group_51_RoHS_L_10.pdf, ComponentLink2Description="DigiKey Link", ComponentLink2URL=https://www.digikey.com/en/products/detail/yageo/RC0402FR-0724K3L/5280931, Composition="Thick Film", Features="Moisture Resistant", Height - Seated (Max)="0.016\" (0.40mm)", LastUpdated="2022-04-02 06:08:10", Lifecycle Status=Active, Minimum Order=1, Number of Terminations=2, Package / Case="0402 (1005 Metric)", Packaging=CutTape, Part Number=RC0402FR-0724K3L, Part Status=Active, PartId=2738, Price=0.01, Resistance="24.3 kOhms", Series=RC_L, Size / Dimension="0.039\" L x 0.020\" W (1.00mm x 0.50mm)", Supplier 1=DigiKey
R6: library part CRCW020110K0FKED, "RES SMD 10K OHM 1% 1/20W 0201", Device Package="0201 (0603 Metric)", Manufacturer="Vishay Dale", Operating Temperature="-55°C ~ 155°C", Power (Watts)="0.05W, 1/20W", Supplier Device Package=0201, Supplier Part Number 1=541-10.0KAABCT-ND, Temperature Coefficient=±100ppm/°C, Tolerance=±1%, ComponentLink1Description=Datasheet, ComponentLink1URL=http://www.vishay.com/docs/20052/crcw0201e3.pdf, ComponentLink2Description="DigiKey Link", ComponentLink2URL=https://www.digikey.com/en/products/detail/vishay-dale/CRCW020110K0FKED/1967989, Composition="Thick Film", Height - Seated (Max)="0.010\" (0.26mm)", LastUpdated="5/23/2022 1:02:37 PM", Lifecycle Status=Active, Minimum Order=1, Number of Terminations=2, Package / Case="0201 (0603 Metric)", Packaging=TapeAndReel, Part Number=CRCW020110K0FKED, Part Status=Active, PartId=29, Price=0.03, Resistance="10 kOhms", Series=CRCW, Size / Dimension="0.024\" L x 0.012\" W (0.60mm x 0.30mm)", Supplier 1=DigiKey
R7: library part CRG0201F10R, "RES SMD 10 OHM 1% 1/20W 0201", Device Package="0201 (0603 Metric)", Manufacturer="TE Connectivity Passive Product", Operating Temperature="-55°C ~ 155°C", Power (Watts)="0.05W, 1/20W", Supplier Device Package=0201, Supplier Part Number 1=A129573CT-ND, Temperature Coefficient=±400ppm/°C, Tolerance=±1%, ComponentLink1Description=Datasheet, ComponentLink1URL=https://www.te.com/commerce/DocumentDelivery/DDEController?Action=srchrtrv&DocNm=1773204&DocType=DS&DocLang=English, ComponentLink2Description="DigiKey Link", ComponentLink2URL=https://www.digikey.com/en/products/detail/te-connectivity-passive-product/CRG0201F10R/4489648, Composition="Thick Film", Height - Seated (Max)="0.010\" (0.26mm)", LastUpdated="5/23/2022 1:02:37 PM", Lifecycle Status=Active, Minimum Order=1, Number of Terminations=2, Package / Case="0201 (0603 Metric)", Packaging=TapeAndReel, Part Number=CRG0201F10R, Part Status=Active, PartId=3, Price=0.03, Resistance="10 Ohms", Series="CRG, Neohm", Size / Dimension="0.024\" L x 0.012\" W (0.60mm x 0.30mm)", Supplier 1=DigiKey
R8: library part CRCW020116K5FNED, "RES SMD 16.5K OHM 1% 1/20W 0201", Device Package="0201 (0603 Metric)", Manufacturer="Vishay Dale", Operating Temperature="-55°C ~ 155°C", Power (Watts)="0.05W, 1/20W", Supplier Device Package=0201, Supplier Part Number 1=541-CRCW020116K5FNEDCT-ND, Temperature Coefficient=±200ppm/°C, Tolerance=±1%, ComponentLink1Description=Datasheet, ComponentLink1URL=http://www.vishay.com/docs/20052/crcw0201e3.pdf, ComponentLink2Description="DigiKey Link", ComponentLink2URL=https://www.digikey.com/en/products/detail/vishay-dale/CRCW020116K5FNED/1199935, Composition="Thick Film", Height - Seated (Max)="0.011\" (0.28mm)", LastUpdated="5/23/2022 1:02:31 PM", Lifecycle Status=Active, Minimum Order=1, Number of Terminations=2, Package / Case="0201 (0603 Metric)", Packaging=TapeAndReel, Part Number=CRCW020116K5FNED, Part Status=Active, PartId=1208, Price=0.01, Resistance="16.5 kOhms", Series=CRCW, Size / Dimension="0.024\" L x 0.012\" W (0.60mm x 0.30mm)", Supplier 1=DigiKey
R9: library part RK73H1HTTC1372F, "RES 13.7K OHM 1% 1/20W 0201", Device Package="0201 (0603 Metric)", Manufacturer="KOA Speer Electronics, Inc.", Operating Temperature="-55°C ~ 155°C", Power (Watts)="0.05W, 1/20W", Ratings=AEC-Q200, Supplier Device Package=0201, Supplier Part Number 1=2019-RK73H1HTTC1372FCT-ND, Temperature Coefficient=±200ppm/°C, Tolerance=±1%, ComponentLink1Description=Datasheet, ComponentLink1URL=http://www.koaspeer.com/catimages/Products/RK73H/RK73H.pdf, ComponentLink2Description="DigiKey Link", ComponentLink2URL=https://www.digikey.com/en/products/detail/koa-speer-electronics-inc/RK73H1HTTC1372F/9843939, Composition="Thick Film", Features="Automotive AEC-Q200, Moisture Resistant", Height - Seated (Max)="0.010\" (0.26mm)", LastUpdated="5/23/2022 1:02:37 PM", Lifecycle Status=Active, Minimum Order=1, Number of Terminations=2, Package / Case="0201 (0603 Metric)", Packaging=CutTape, Part Number=RK73H1HTTC1372F, Part Status=Active, PartId=168, Price=0.01, Resistance="13.7 kOhms", Series=RK73H, Size / Dimension="0.024\" L x 0.012\" W (0.60mm x 0.30mm)", Supplier 1=DigiKey
R10: library part CRCW04020000Z0EDHP, "RES SMD 0 OHM JUMPER 1/5W 0402", Device Package="0402 (1005 Metric)", Manufacturer="Vishay Dale", Operating Temperature="-55°C ~ 155°C", Power (Watts)="0.2W, 1/5W", Ratings=AEC-Q200, Resistance="0 Ohms", Supplier Device Package=0402, Supplier Part Number 1=541-0.0YBCT-ND, Tolerance=Jumper, ComponentLink1Description=Datasheet, ComponentLink1URL=http://www.vishay.com/docs/20043/crcwhpe3.pdf, ComponentLink2Description="DigiKey Link", ComponentLink2URL=http://digikey.com/product-detail/en/vishay-dale/CRCW04020000Z0EDHP/541-0.0YBCT-ND/2223008, Composition="Thick Film", Features="Automotive AEC-Q200, Pulse Withstanding", Height - Seated (Max)="0.016\" (0.40mm)", LastUpdated="2022-04-02 06:08:09", Lifecycle Status=Active, Minimum Order=1, Number of Terminations=2, Package / Case="0402 (1005 Metric)", Packaging=TapeAndReel, Part Number=CRCW04020000Z0EDHP, Part Status=Active, PartId=3131, Price=0.01, Series=CRCW-HP, Size / Dimension="0.039\" L x 0.020\" W (1.00mm x 0.50mm)", Supplier 1=DigiKey
U1: library part CMP-019-00049-2, "Split-Rail, Single Inductor Dual Output Converter with Positive and Negative Outputs 15-DSBGA -40 to 85"
U2: library part CMP-019-00051-2, "6 channel high-efficiency/Efficacy LED backlight driver 20-DSBGA -30 to 85"
U3: library part CMP-011-000001-1, "No Description Available", Mfr_Name="Analog Devices Inc", Copyright="Copyright (C) 2022 Ultra Librarian. All rights reserved.", Design Item ID=ADP2120ACPZ-R7, Manufacturer_Part_Number=ADP2120ACPZ-R7, RefDes=RefDes, Source=ADP2120ACPZ-R7.SchLib, Type=DEV

## Via types
v1: diameter 0.3, hole 0.15, Top Side to Bottom Side, 180 vias
v2: diameter 0.25, hole 0.1, Top Side to Inner 1 (HS), 49 vias
v3: diameter 0.4, hole 0.2, Top Side to Bottom Side, 49 vias
v4: diameter 0.45, hole 0.2, Top Side to Bottom Side, 27 vias
v5: diameter 0.3, hole 0.1, Inner 6 (HS) to Bottom Side, 20 vias
v6: diameter 0.28, hole 0.15, Top Side to Bottom Side, 20 vias
v7: diameter 0.275, hole 0.1, Top Side to Inner 1 (HS), 9 vias
v8: diameter 3, hole 1.9, Top Side to Bottom Side, 4 vias
v9: diameter 0.25, hole 0.15, Top Side to Bottom Side, 2 vias

## Nets (pads, with @x,y where several pads share a name; then routed paths per layer and width w, separated by ;. In a path a pad name is that pad's centre, name@x,y a point inside that pad or via, vN(x,y) a via of type N, cw(c..) or ccw(c..) an arc to the next point about the centre after c; other vN are vias at no path point)
+1.1: C19.2 J1.4 J1.5 J1.6 L3.1 R9.1 | length 7.3
  Top Side w0.1: R9.1@28.9,61.75 v1(28.9,62.2) ; v1(33.6,61.5) 33.641,61.5 33.691,61.45 34.15,61.45 L3.1@34.4,61.2 ; J1.4@48.8,62.26 v2(48.8,62.6) ; v2(49.2,62) J1.6@49.2,62.26 ; v2(49.2,65) J1.5@49.2,65.34
  Inner Layer 3 w0.1: v1(28.9,62.2) 32.9,62.2 v1(33.6,61.5)
  other v1: 37.2,60.9 34.3,61.2 34.9,61.2 35.5,61.2 36.8,61.3
+1.8: C1.2 C12.1 C16.2 IC1.1 J2.3 J2.4 J2.5 J2.48 J3.2 | length 3.8
  Top Side w0.1: IC1.1@49,32.5 49,31.473 C16.2@49.063,31.41
  Bottom Side w0.075: v1(46.9,50.8) J2.48@46.9,51.135
  Bottom Side w0.1: J2.4@60.1,51.135 60.1,53.425 C1.2@60.175,53.5
  other v1: 49,31.986 59.8,48.8 60.4,48.8 60.1,50.9 71.4,65 61.5,79 63,79 61.5,80 62.2,80 63,80 61.5,81 63,81
+5: C2.2 C8.2 C13.1 C14.2 C18.2 J1.1 J1.2 J1.3 J3.1 J4.1 J4.2 L1.1 L2.1 R7.1 U1.C1 U2.C1 U3.2 | length 6.7
  Top Side w0.075: J1.2@48.4,62.26 v2(48.4,62.6) ; v2(48.4,65) J1.1@48.4,65.34 ; v2(48.8,65) J1.3@48.8,65.34 ; v1(58.8,30) 58.8,30.05 59.25,30.5
  Top Side w0.1: C14.2@31.6,31.8 31.78,31.8 31.98,31.6 U2.C1@32.6,31.6 ; R7.1@34.2,57.325 34.325,57.45 34.325,57.695 34.36,57.73 C18.2@34.36,58.4 ; v1(58,30) v1(58.8,30) ; C2.2@58.675,31.4 59.075,31 59.075,30.675 59.25,30.5 U1.C1@60.1,30.5
  other v1: 57.2,30 71.4,44.6 28,45 29.5,45 72,45 28,46 28.8,46 29.5,46 28,47 29.5,47 71.9,64.6
  other v2: 58.4,31.1 58.9,31.4 58.4,31.7 33.8,58.4 33.3,58.8
  other v4: 31.6,32 28.5,39 29.5,39 30.5,39 28,39.5 29,39.5 31,39.5 29.984,39.511
CAM_D0_N: J1.59 J4.30 | length 17.4
  Top Side w0.111: v2(60,65.1) J1.59@60,65.34
  Inner 1 (HS) w0.069: v2(60,65.1) ccw(c60.241,64.859) 59.9,64.859 59.9,62.831 ccw(c61.424,62.831) 60.346,61.754 65.539,56.561 ccw(c66.617,57.639) 66.617,56.115 71.541,56.115 71.626,56.2 v2(71.675,56.2)
CAM_D0_P: J1.57 J4.29 | length 17.7
  Top Side w0.111: v2(59.6,65.1) J1.57@59.6,65.34
  Inner 1 (HS) w0.069: v2(59.6,65.1) cw(c59.429,64.929) 59.671,64.929 59.671,62.831 ccw(c61.424,62.831) 60.184,61.591 65.377,56.399 ccw(c66.617,57.639) 66.617,55.885 71.541,55.885 71.626,55.8 v2(71.675,55.8)
CAM_D1_N: J1.54 J4.28 | length 17.2
  Top Side w0.111: J1.54@58.8,62.26 v2(58.8,62.5)
  Inner 1 (HS) w0.069: v2(58.8,62.5) ccw(c59.041,62.259) 58.7,62.259 58.7,61.331 ccw(c60.224,61.331) 59.146,60.254 63.639,55.761 ccw(c64.717,56.839) 64.717,55.315 71.541,55.315 71.626,55.4 v2(71.675,55.4)
CAM_D1_P: J1.52 J4.27 | length 17.5
  Top Side w0.111: J1.52@58.4,62.26 v2(58.4,62.5)
  Inner 1 (HS) w0.069: v2(58.4,62.5) cw(c58.229,62.329) 58.471,62.329 58.471,61.331 ccw(c60.224,61.331) 58.984,60.091 63.477,55.599 ccw(c64.717,56.839) 64.717,55.085 71.541,55.085 71.626,55 v2(71.675,55)
CAM_D2_N: J1.53
CAM_D2_P: J1.51
CAM_D3_N: J1.48
CAM_D3_P: J1.46
CAM_D4_N: J1.47
CAM_D4_P: J1.45
CAM_D5_N: J1.42
CAM_D5_P: J1.40
CAM_D6_N: J1.41
CAM_D6_P: J1.39
CAM_D7_N: J1.36
CAM_D7_P: J1.34
CAM_DC_N: J1.60
CAM_DC_P: J1.58
CAM_EN: J1.9 J4.7 | length 37.9
  Inner 1 (HS) w0.075: v2(50,65) 50,64.046 49.4,63.446 49.4,62.736 49.362,62.698 49.362,62.338 49.7,62 49.7,51.829 54.529,47 v1(72,47)
CAM_EN_1V1: J1.8 U3.10 | length 22.6
  Top Side w0.1: U3.10@30.055,58.3 30.055,57.245 v9(30.1,57.2) ; v9(46.6,60.6) 48.19,60.6 49.59,62 J1.8@49.6,62
  Inner Layer 3 w0.1: v9(30.1,57.2) 31.411,57.2 31.636,57.425 43.425,57.425 v9(46.6,60.6)
  other v2: 49.6,62.6
CAM_PGOOD: J1.10 J4.8 | length 33.8
  Inner 1 (HS) w0.075: v2(50,62.6) 50,52.271 51.862,50.409 51.862,50.366 54.829,47.4 v1(71.4,47.4)
CAM_SCK: J1.16 J4.9 | length 32.5
  Inner 1 (HS) w0.075: v2(51.2,61.9) 50.545,61.245 50.545,53.483 52.966,51.063 53.009,51.063 53.163,50.909 53.163,50.866 56.179,47.85 69.2,47.85 69.25,47.8 v1(72,47.8)
CAM_SDI: J1.15 J4.10 | length 34.5
  Inner 1 (HS) w0.075: v2(51.2,65) 51.2,62.342 51.438,62.104 51.438,61.802 50.845,61.209 50.845,53.786 55.569,49.063 55.709,49.063 55.863,48.909 55.863,48.769 56.407,48.225 71.375,48.225 v1(71.4,48.2)
CAM_SDO: J1.17 J4.12 | length 33.5
  Inner 1 (HS) w0.075: v2(51.6,65) 51.6,64.958 51.775,64.783 51.775,62.761 51.838,62.698 51.838,62.238 51.738,62.138 51.738,61.677 51.65,61.59 51.65,58.716 51.445,58.511 51.445,54.035 54.442,51.038 54.442,50.914 54.437,50.909 54.437,50.691 54.591,50.537 54.943,50.537 56.418,49.063 58.709,49.063 58.771,49 59.029,49 59.091,49.063 61.109,49.063 61.171,49 v1(71.4,49)
D0_0_N: J2.35 J3.24 | length 35.1
  Inner 6 (HS) w0.07: v5(50.478,49.677) 50.57,49.677 50.57,65.969 cw(c52.324,65.969) 51.084,67.209 51.995,68.12 ; 57.06,73.185 57.076,73.201 cw(c58.316,71.961) 58.316,73.715 71.495,73.715 ccw(c71.495,73.888) 71.617,73.766 cw(c71.7,73.682) v6(71.7,73.8)
  Bottom Side w0.111: v5(50.478,49.677) 50.745,48.735 J2.35@50.8,48.52
D0_0_P: J2.36 J3.23 | length 35.3
  Inner 6 (HS) w0.07: v5(50.853,49.677) 50.8,49.677 50.8,65.969 cw(c52.324,65.969) 51.246,67.046 52.158,67.958 ; 57.222,73.022 57.239,73.039 cw(c58.316,71.961) 58.316,73.485 71.495,73.485 cw(c71.495,73.312) 71.617,73.434 ccw(c71.7,73.518) v6(71.7,73.4)
  Bottom Side w0.111: J2.36@50.555,50.925 J2.36@50.5,51.135 50.5,50.081 50.853,49.728 v5(50.853,49.677)
D0_1_N: J2.41 J3.28 | length 42.4
  Inner 6 (HS) w0.07: v5(48.625,49.6) 48.655,49.653 ccw(c48.594,49.687) 48.664,49.687 48.67,69.769 cw(c50.424,69.769) 49.184,71.009 49.728,71.553 ; 52.918,74.744 52.976,74.801 cw(c54.216,73.561) 54.216,75.315 71.495,75.315 ccw(c71.495,75.488) 71.617,75.366 cw(c71.7,75.282) v6(71.7,75.4)
  Bottom Side w0.111: v5(48.625,49.6) 48.945,48.735 J2.41@49,48.52
D0_1_P: J2.42 J3.27 | length 42.5
  Inner 6 (HS) w0.07: v5(49,49.6) 48.929,49.793 cw(c48.995,49.817) 48.925,49.817 48.9,69.769 cw(c50.424,69.769) 49.346,70.846 49.89,71.39 ; 53.081,74.581 53.139,74.639 cw(c54.216,73.561) 54.216,75.085 71.495,75.085 cw(c71.495,74.912) 71.617,75.034 ccw(c71.7,75.118) v6(71.7,75)
  Bottom Side w0.111: J2.42@48.7,51.135 48.755,50.925 v5(49,49.6)